# Altium PCB DM3370.PcbDoc (part 9 of 9)
Units mm, origin at the board's own origin, x right, y up, seen from the top; angles counter-clockwise.
Board outline 114.8 x 103.43 mm, 6 copper layers (Top Copper, GND 1, PWR, Signal Layer 1, GND 2, Bottom Copper), stack 1.599 mm thick; 540 components, 427 nets, 2136 pads, 1770 vias.
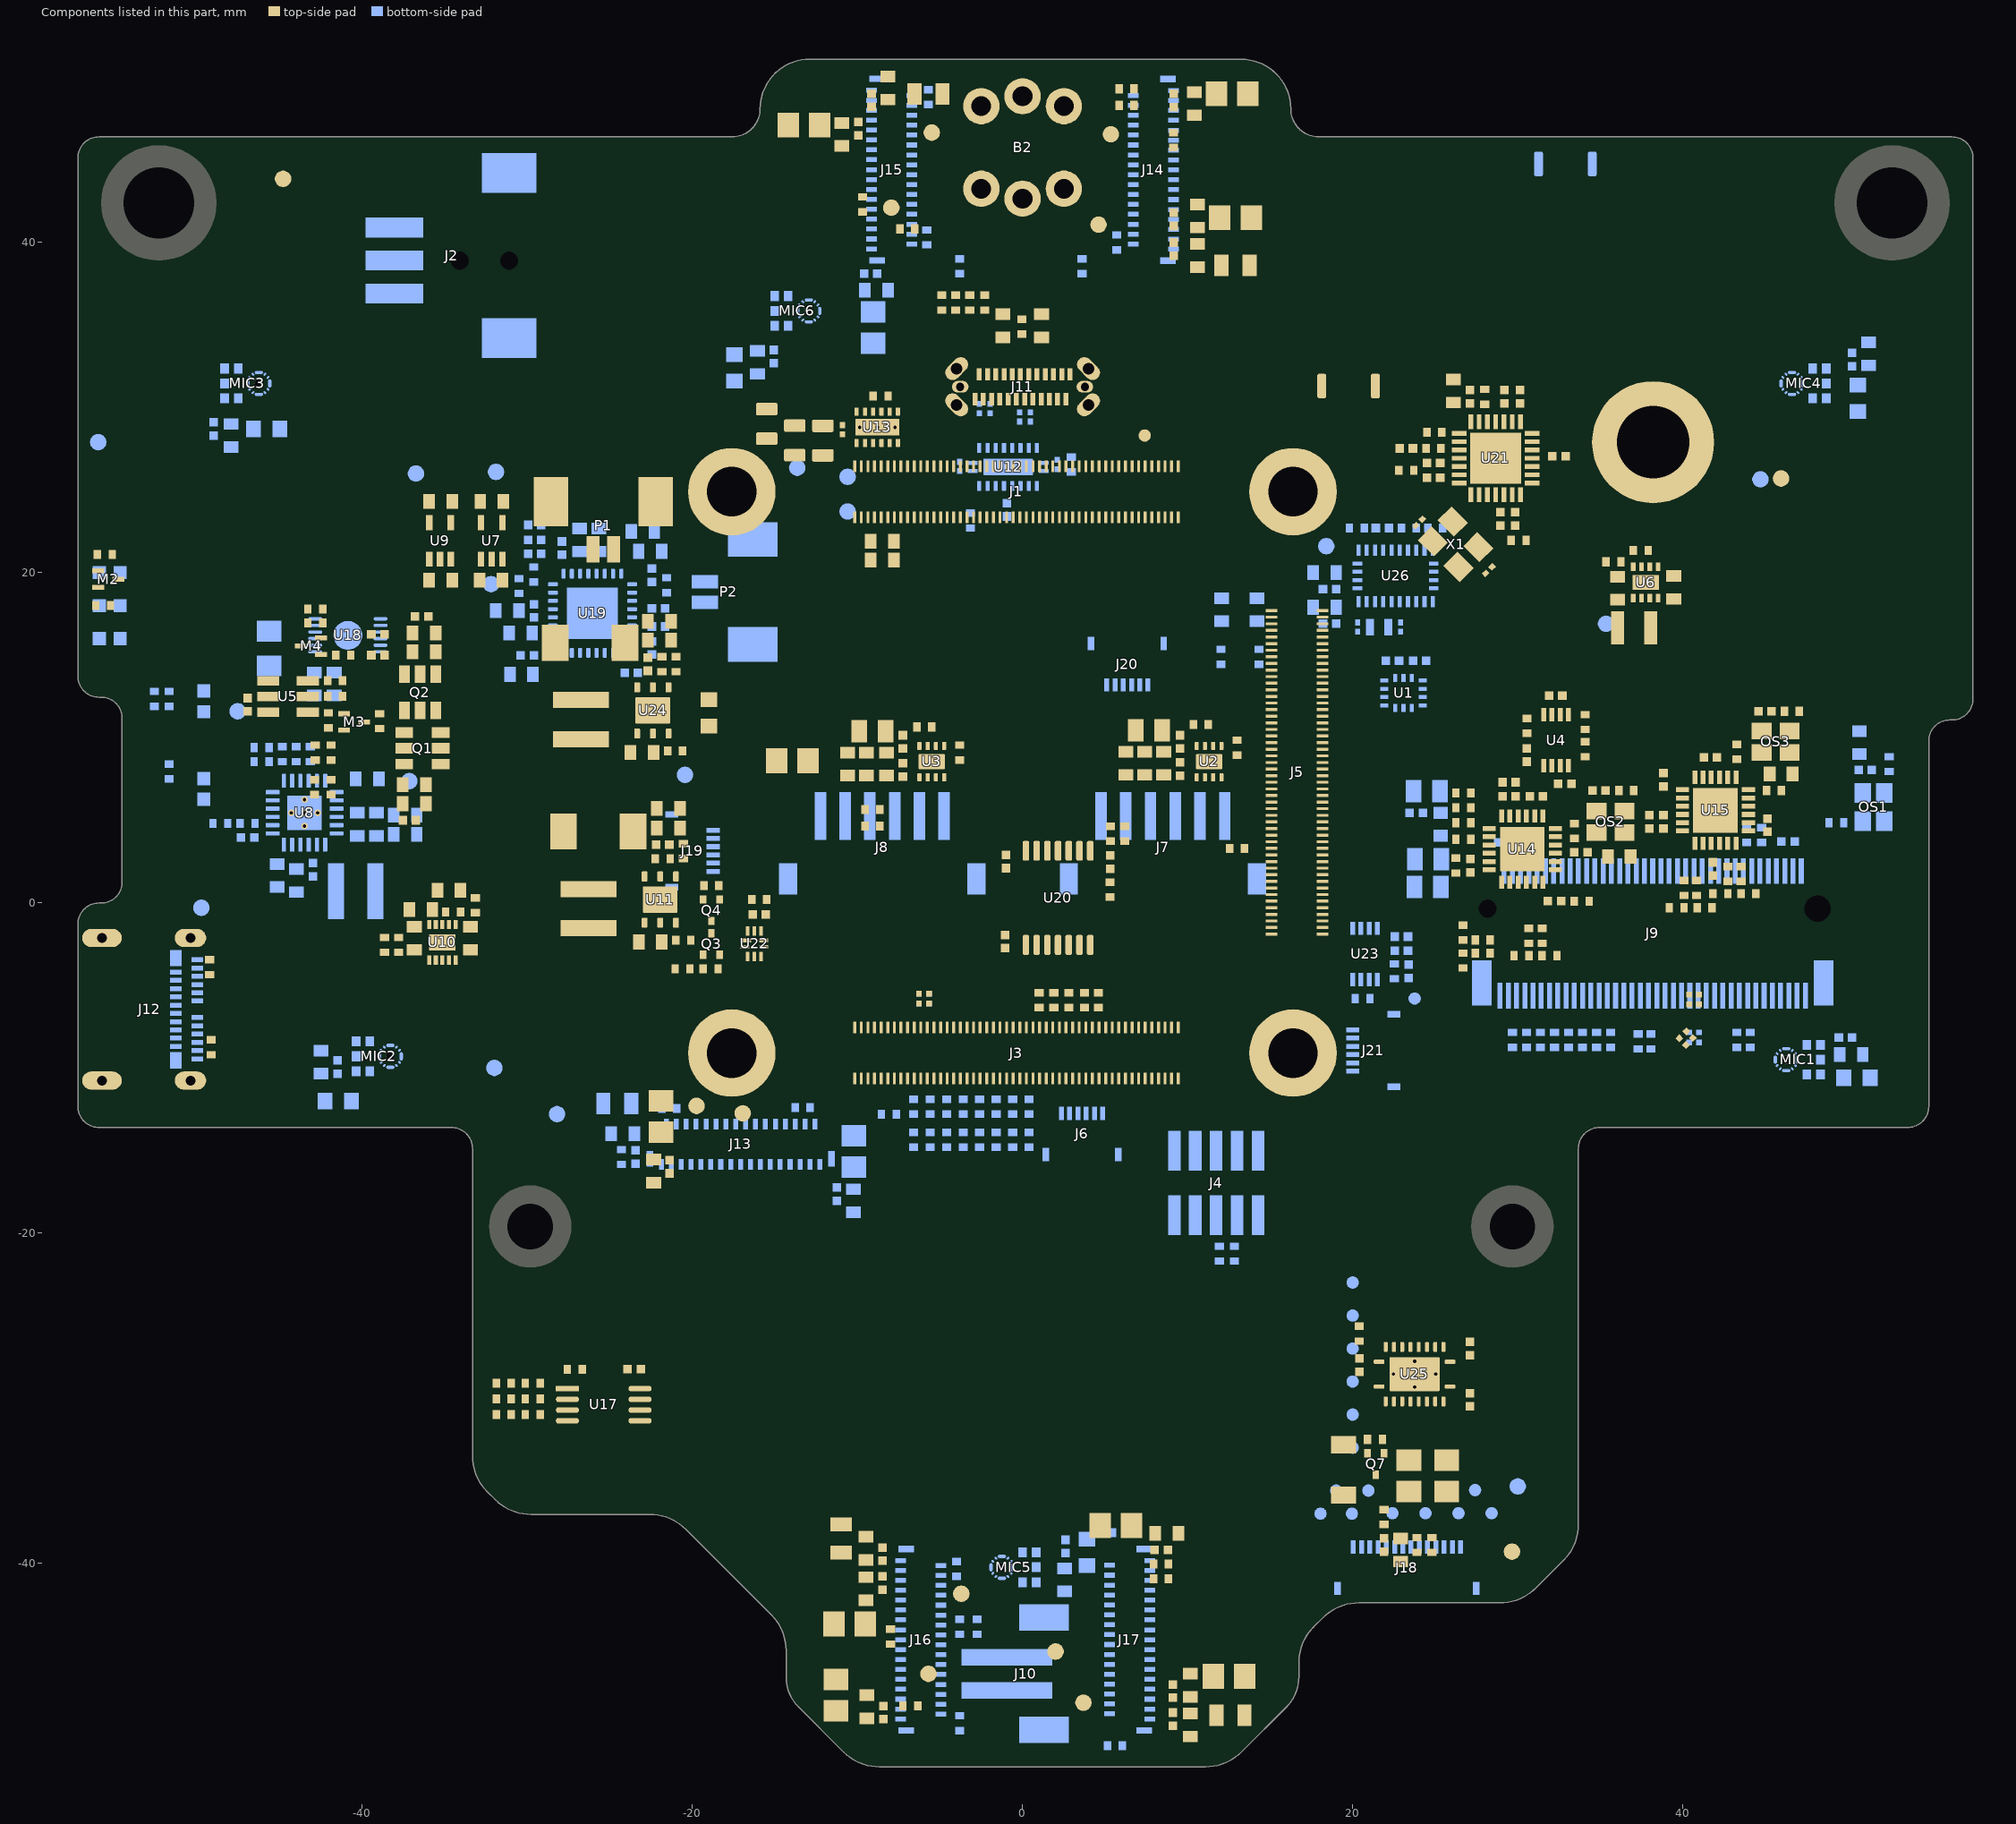
[diagram p13: the components of this part, seen from the top]

## Silkscreen, mask and mechanical layers (free items; w line width, h text height) (continued)
Drill Drawing:
  drawing of 1000 lines, arcs and shapes, not listed
  text "Layer" at 96.543,97.418 h1.52
  text "Name" at 106.955,97.418 h1.52
  text "Material" at 130.571,97.418 h1.52
  text "Thickness" at 152.409,97.418 h1.52
  text "Constant" at 168.915,97.418 h1.52
  text "Board Layer Stack" at 183.389,97.418 h1.52
  text "Top Overlay" at 106.955,94.37 h1.52
  text "Top Mask" at 106.955,91.322 h1.52
  text "Solder Resist" at 130.571,91.322 h1.52
  text "0.59mil" at 152.409,91.322 h1.52
  text "3.8" at 168.915,91.322 h1.52
  text "1" at 96.543,88.274 h1.52
  text "Top Copper" at 106.955,88.274 h1.52
  text "1.38mil" at 152.409,88.274 h1.52
  text "Dielectric 1" at 106.955,85.226 h1.52
  text "2313" at 130.571,85.226 h1.52
  text "3.94mil" at 152.409,85.226 h1.52
  text "4.05" at 168.915,85.226 h1.52
  text "2" at 96.543,82.178 h1.52
  text "GND 1" at 106.955,82.178 h1.52
  text "0.71mil" at 152.409,82.178 h1.52
  text "Core 1" at 106.955,79.13 h1.52
  text "FR-4" at 130.571,79.13 h1.52
  text "22.24mil" at 152.409,79.13 h1.52
  text "4.5" at 168.915,79.13 h1.52
  text "3" at 96.543,76.082 h1.52
  text "PWR" at 106.955,76.082 h1.52
  text "0.71mil" at 152.409,76.082 h1.52
  text "Dielectric 2" at 106.955,73.034 h1.52
  text "2116" at 130.571,73.034 h1.52
  text "5.00mil" at 152.409,73.034 h1.52
  text "4.25" at 168.915,73.034 h1.52
  text "4" at 96.543,69.986 h1.52
  text "Signal Layer 1" at 106.955,69.986 h1.52
  text "0.71mil" at 152.409,69.986 h1.52
  text "Core 2" at 106.955,66.938 h1.52
  text "FR-4" at 130.571,66.938 h1.52
  text "22.24mil" at 152.409,66.938 h1.52
  text "4.5" at 168.915,66.938 h1.52
  text "5" at 96.543,63.89 h1.52
  text "GND 2" at 106.955,63.89 h1.52
  text "0.71mil" at 152.409,63.89 h1.52
  text "Dielectric 3" at 106.955,60.842 h1.52
  text "2313" at 130.571,60.842 h1.52
  text "3.94mil" at 152.409,60.842 h1.52
  text "4.05" at 168.915,60.842 h1.52
  text "6" at 96.543,57.794 h1.52
  text "Bottom Copper" at 106.955,57.794 h1.52
  text "1.38mil" at 152.409,57.794 h1.52
  text "Bottom Mask" at 106.955,54.746 h1.52
  text "Solder Resist" at 130.571,54.746 h1.52
  text "0.59mil" at 152.409,54.746 h1.52
  text "3.8" at 168.915,54.746 h1.52
  text "Bottom Overlay" at 106.955,51.698 h1.52
  text "Symbol" at -107.859,-68.6 h1.83
  text "Count" at -95.01,-68.6 h1.83
  text "Hole Size" at -78.758,-68.6 h1.83
  text "Plated" at -49.557,-68.6 h1.83
  text "Hole Type" at -36.707,-68.6 h1.83
  text "Drill Layer Pair" at -18.069,-68.6 h1.83
  text "Via/Pad" at 23.067,-68.6 h1.83
  text "Pad Shape" at 38.049,-68.6 h1.83
  text "Template" at 56.992,-68.6 h1.83
  text "Description" at 98.89,-68.6 h1.83
  text "Hole Tolerance (+)" at 120.575,-68.6 h1.83
  text "Hole Tolerance (-)" at 154.449,-68.6 h1.83
  text "Hole Length" at 188.322,-68.6 h1.83
  text "Routed Path Length" at 216.254,-68.6 h1.83
  text "1" at -95.01,-72.41 h1.52
  text "1.600mm (62.99mil)" at -78.758,-72.41 h1.52
  text "NPTH" at -49.557,-72.41 h1.52
  text "Round" at -36.707,-72.41 h1.52
  text "Top Copper - Bottom Copper" at -18.069,-72.41 h1.52
  text "Pad" at 23.067,-72.41 h1.52
  text "Rounded" at 38.049,-72.41 h1.52
  text "c100hn160" at 56.992,-72.41 h1.52
  text "-" at 188.322,-72.41 h1.52
  text "-" at 216.254,-72.41 h1.52
  text "1" at -95.01,-76.22 h1.52
  text "4.400mm (173.23mil)" at -78.758,-76.22 h1.52
  text "PTH" at -49.557,-76.22 h1.52
  text "Round" at -36.707,-76.22 h1.52
  text "Top Copper - Bottom Copper" at -18.069,-76.22 h1.52
  text "Pad" at 23.067,-76.22 h1.52
  text "Rounded" at 38.049,-76.22 h1.52
  text "c740h440z500" at 56.992,-76.22 h1.52
  text "-" at 188.322,-76.22 h1.52
  text "-" at 216.254,-76.22 h1.52
  text "2" at -95.01,-80.03 h1.52
  text "0.500mm (19.69mil)" at -78.758,-80.03 h1.52
  text "PTH" at -49.557,-80.03 h1.52
  text "Slot" at -36.707,-80.03 h1.52
  text "Top Copper - Bottom Copper" at -18.069,-80.03 h1.52
  text "Pad" at 23.067,-80.03 h1.52
  text "Rounded" at 38.049,-80.03 h1.52
  text "r100_70h50_70r100" at 56.992,-80.03 h1.52
  text "0.700mm (27.56mil)" at 188.322,-80.03 h1.52
  text "0.200mm (7.87mil)" at 216.254,-80.03 h1.52
  text "2" at -95.01,-83.84 h1.52
  text "0.600mm (23.62mil)" at -78.758,-83.84 h1.52
  text "PTH" at -49.557,-83.84 h1.52
  text "Slot" at -36.707,-83.84 h1.52
  text "Top Copper - Bottom Copper" at -18.069,-83.84 h1.52
  text "Pad" at 23.067,-83.84 h1.52
  text "Rounded" at 38.049,-83.84 h1.52
  text "r190_110h60_130r100m195_115" at 56.992,-83.84 h1.52
  text "1.300mm (51.18mil)" at 188.322,-83.84 h1.52
  text "0.700mm (27.56mil)" at 216.254,-83.84 h1.52
  text "2" at -95.01,-87.65 h1.52
  text "0.600mm (23.62mil)" at -78.758,-87.65 h1.52
  text "PTH" at -49.557,-87.65 h1.52
  text "Slot" at -36.707,-87.65 h1.52
  text "Top Copper - Bottom Copper" at -18.069,-87.65 h1.52
  text "Pad" at 23.067,-87.65 h1.52
  text "Rounded" at 38.049,-87.65 h1.52
  text "r240_110h60_180r100m245_115" at 56.992,-87.65 h1.52
  text "1.800mm (70.87mil)" at 188.322,-87.65 h1.52
  text "1.200mm (47.24mil)" at 216.254,-87.65 h1.52
  text "2" at -95.01,-91.46 h1.52
  text "2.750mm (108.27mil)" at -78.758,-91.46 h1.52
  text "PTH" at -49.557,-91.46 h1.52
  text "Round" at -36.707,-91.46 h1.52
  text "Top Copper - Bottom Copper" at -18.069,-91.46 h1.52
  text "Pad" at 23.067,-91.46 h1.52
  text "Rounded" at 38.049,-91.46 h1.52
  text "c500h275p300" at 56.992,-91.46 h1.52
  text "-" at 188.322,-91.46 h1.52
  text "-" at 216.254,-91.46 h1.52
  text "D" at -108.598,-91.714 h1.69
  text "2" at -95.01,-95.27 h1.52
  text "4.300mm (169.29mil)" at -78.758,-95.27 h1.52
  text "PTH" at -49.557,-95.27 h1.52
  text "Round" at -36.707,-95.27 h1.52
  text "Top Copper - Bottom Copper" at -18.069,-95.27 h1.52
  text "Pad" at 23.067,-95.27 h1.52
  text "Rounded" at 38.049,-95.27 h1.52
  text "c700h430p500" at 56.992,-95.27 h1.52
  text "-" at 188.322,-95.27 h1.52
  text "-" at 216.254,-95.27 h1.52
  text "C" at -108.598,-95.524 h1.69
  text "3" at -95.01,-99.08 h1.52
  text "1.100mm (43.31mil)" at -78.758,-99.08 h1.52
  text "NPTH" at -49.557,-99.08 h1.52
  text "Round" at -36.707,-99.08 h1.52
  text "Top Copper - Bottom Copper" at -18.069,-99.08 h1.52
  text "Pad" at 23.067,-99.08 h1.52
  text "Rounded" at 38.049,-99.08 h1.52
  text "(Mixed)" at 56.992,-99.08 h1.52
  text "-" at 188.322,-99.08 h1.52
  text "-" at 216.254,-99.08 h1.52
  text "4" at -95.01,-102.89 h1.52
  text "0.700mm (27.56mil)" at -78.758,-102.89 h1.52
  text "PTH" at -49.557,-102.89 h1.52
  text "Slot" at -36.707,-102.89 h1.52
  text "Top Copper - Bottom Copper" at -18.069,-102.89 h1.52
  text "Pad" at 23.067,-102.89 h1.52
  text "Rounded" at 38.049,-102.89 h1.52
  text "r160_90h70_130r100" at 56.992,-102.89 h1.52
  text "1.300mm (51.18mil)" at 188.322,-102.89 h1.52
  text "0.600mm (23.62mil)" at 216.254,-102.89 h1.52
  text "4" at -95.01,-106.7 h1.52
  text "3.000mm (118.11mil)" at -78.758,-106.7 h1.52
  text "PTH" at -49.557,-106.7 h1.52
  text "Round" at -36.707,-106.7 h1.52
  text "Top Copper - Bottom Copper" at -18.069,-106.7 h1.52
  text "Pad" at 23.067,-106.7 h1.52
  text "Rounded" at 38.049,-106.7 h1.52
  text "c530h300z270x270m535mx275" at 56.992,-106.7 h1.52
  text "-" at 188.322,-106.7 h1.52
  text "-" at 216.254,-106.7 h1.52
  text "6" at -95.01,-110.51 h1.52
  text "0.300mm (11.81mil)" at -78.758,-110.51 h1.52
  text "PTH" at -49.557,-110.51 h1.52
  text "Round" at -36.707,-110.51 h1.52
  text "Top Copper - Bottom Copper" at -18.069,-110.51 h1.52
  text "Via" at 23.067,-110.51 h1.52
  text "Rounded" at 38.049,-110.51 h1.52
  text "v60h30m60" at 56.992,-110.51 h1.52
  text "-" at 188.322,-110.51 h1.52
  text "-" at 216.254,-110.51 h1.52
  text "A" at -108.598,-110.764 h1.69
  text "6" at -95.01,-114.32 h1.52
  text "0.500mm (19.69mil)" at -78.758,-114.32 h1.52
  text "NPTH" at -49.557,-114.32 h1.52
  text "Round" at -36.707,-114.32 h1.52
  text "Top Copper - Bottom Copper" at -18.069,-114.32 h1.52
  text "Pad" at 23.067,-114.32 h1.52
  text "Rounded" at 38.049,-114.32 h1.52
  text "c50hn50" at 56.992,-114.32 h1.52
  text "-" at 188.322,-114.32 h1.52
  text "-" at 216.254,-114.32 h1.52
  text "6" at -95.01,-118.13 h1.52
  text "1.200mm (47.24mil)" at -78.758,-118.13 h1.52
  text "PTH" at -49.557,-118.13 h1.52
  text "Round" at -36.707,-118.13 h1.52
  text "Top Copper - Bottom Copper" at -18.069,-118.13 h1.52
  text "Pad" at 23.067,-118.13 h1.52
  text "Rounded" at 38.049,-118.13 h1.52
  text "c220h120" at 56.992,-118.13 h1.52
  text "-" at 188.322,-118.13 h1.52
  text "-" at 216.254,-118.13 h1.52
  text "16" at -95.01,-121.94 h1.52
  text "0.254mm (10.00mil)" at -78.758,-121.94 h1.52
  text "PTH" at -49.557,-121.94 h1.52
  text "Round" at -36.707,-121.94 h1.52
  text "Top Copper - Bottom Copper" at -18.069,-121.94 h1.52
  text "Via" at 23.067,-121.94 h1.52
  text "Rounded" at 38.049,-121.94 h1.52
  text "v51h25m56" at 56.992,-121.94 h1.52
  text "-" at 188.322,-121.94 h1.52
  text "-" at 216.254,-121.94 h1.52
  text "21" at -95.01,-125.75 h1.52
  text "0.200mm (7.87mil)" at -78.758,-125.75 h1.52
  text "PTH" at -49.557,-125.75 h1.52
  text "Round" at -36.707,-125.75 h1.52
  text "Top Copper - Bottom Copper" at -18.069,-125.75 h1.52
  text "(Mixed)" at 23.067,-125.75 h1.52
  text "Rounded" at 38.049,-125.75 h1.52
  text "(Mixed)" at 56.992,-125.75 h1.52
  text "-" at 188.322,-125.75 h1.52
  text "-" at 216.254,-125.75 h1.52
  text "827" at -95.01,-129.56 h1.52
  text "0.203mm (8.00mil)" at -78.758,-129.56 h1.52
  text "PTH" at -49.557,-129.56 h1.52
  text "Round" at -36.707,-129.56 h1.52
  text "Top Copper - Bottom Copper" at -18.069,-129.56 h1.52
  text "(Mixed)" at 23.067,-129.56 h1.52
  text "Rounded" at 38.049,-129.56 h1.52
  text "(Mixed)" at 56.992,-129.56 h1.52
  text "-" at 188.322,-129.56 h1.52
  text "-" at 216.254,-129.56 h1.52
  text "912" at -95.01,-133.37 h1.52
  text "0.203mm (8.00mil)" at -78.758,-133.37 h1.52
  text "PTH" at -49.557,-133.37 h1.52
  text "Round" at -36.707,-133.37 h1.52
  text "Top Copper - Bottom Copper" at -18.069,-133.37 h1.52
  text "Via" at 23.067,-133.37 h1.52
  text "Rounded" at 38.049,-133.37 h1.52
  text "v41h20m0mx0" at 56.992,-133.37 h1.52
  text "-" at 188.322,-133.37 h1.52
  text "-" at 216.254,-133.37 h1.52
  text "1817 Total" at -95.01,-137.18 h1.52
  text "Slot definitions :" at -107.859,-140.862 h1.52
  text "Routed Path Length" at -81.629,-140.862 h1.52
  text "= Calculated from tool start centre position to tool end centre position." at -53.621,-140.862 h1.52
  text "Hole Length" at -81.629,-143.402 h1.52
  text "= Routed Path Length + Tool Size = Slot length as defined in the PCB layout" at -64.032,-143.402 h1.52

## Text inside footprints (layer, text, board x,y; h text height)
J1: Top Assembly "CONNECTOR A" at -4.368,21.416 h1.52; Top Assembly "CONNECTOR B" at -5.253,-8.051 h0; Top Assembly "CONNECTOR C" at 20.95,14.65 h0 r270; Top Overlay "CONNECTOR B" at -3,-12.639 h1; Top Overlay "CONNECTOR A" at -3.454,27.213 h1; Top Overlay "CONNECTOR C" at 18.961,11.2 h1 r270
J3: Top Assembly "CONNECTOR B" at -5.8,-11.733 h1.52
J4: Bottom Overlay "1" at 7.994,-13.544 h1 r180; Bottom Overlay "9" at 15.131,-13.573 h1 r180
J5: Top Assembly "CONNECTOR C" at 18.167,15 h1.52 r270
J9: Bottom Courtyard "22x30" at 34.675,13.9 h1.52 r180; Bottom Courtyard "WIFI M.2" at 32.925,11.65 h1.52 r180; Bottom Overlay "WIFI M.2" at 32.925,11.65 h1.52 r180; Bottom Overlay "22x30" at 34.675,13.9 h1.52 r180
U12: Assembly Notes "Based on 0.125 thick stencil" at -3.475,26.505 h0.5 r180